# Altium PCB RockerBox_1_SiC780A_Rev01.PcbDoc (part 1 of 5) (continued)
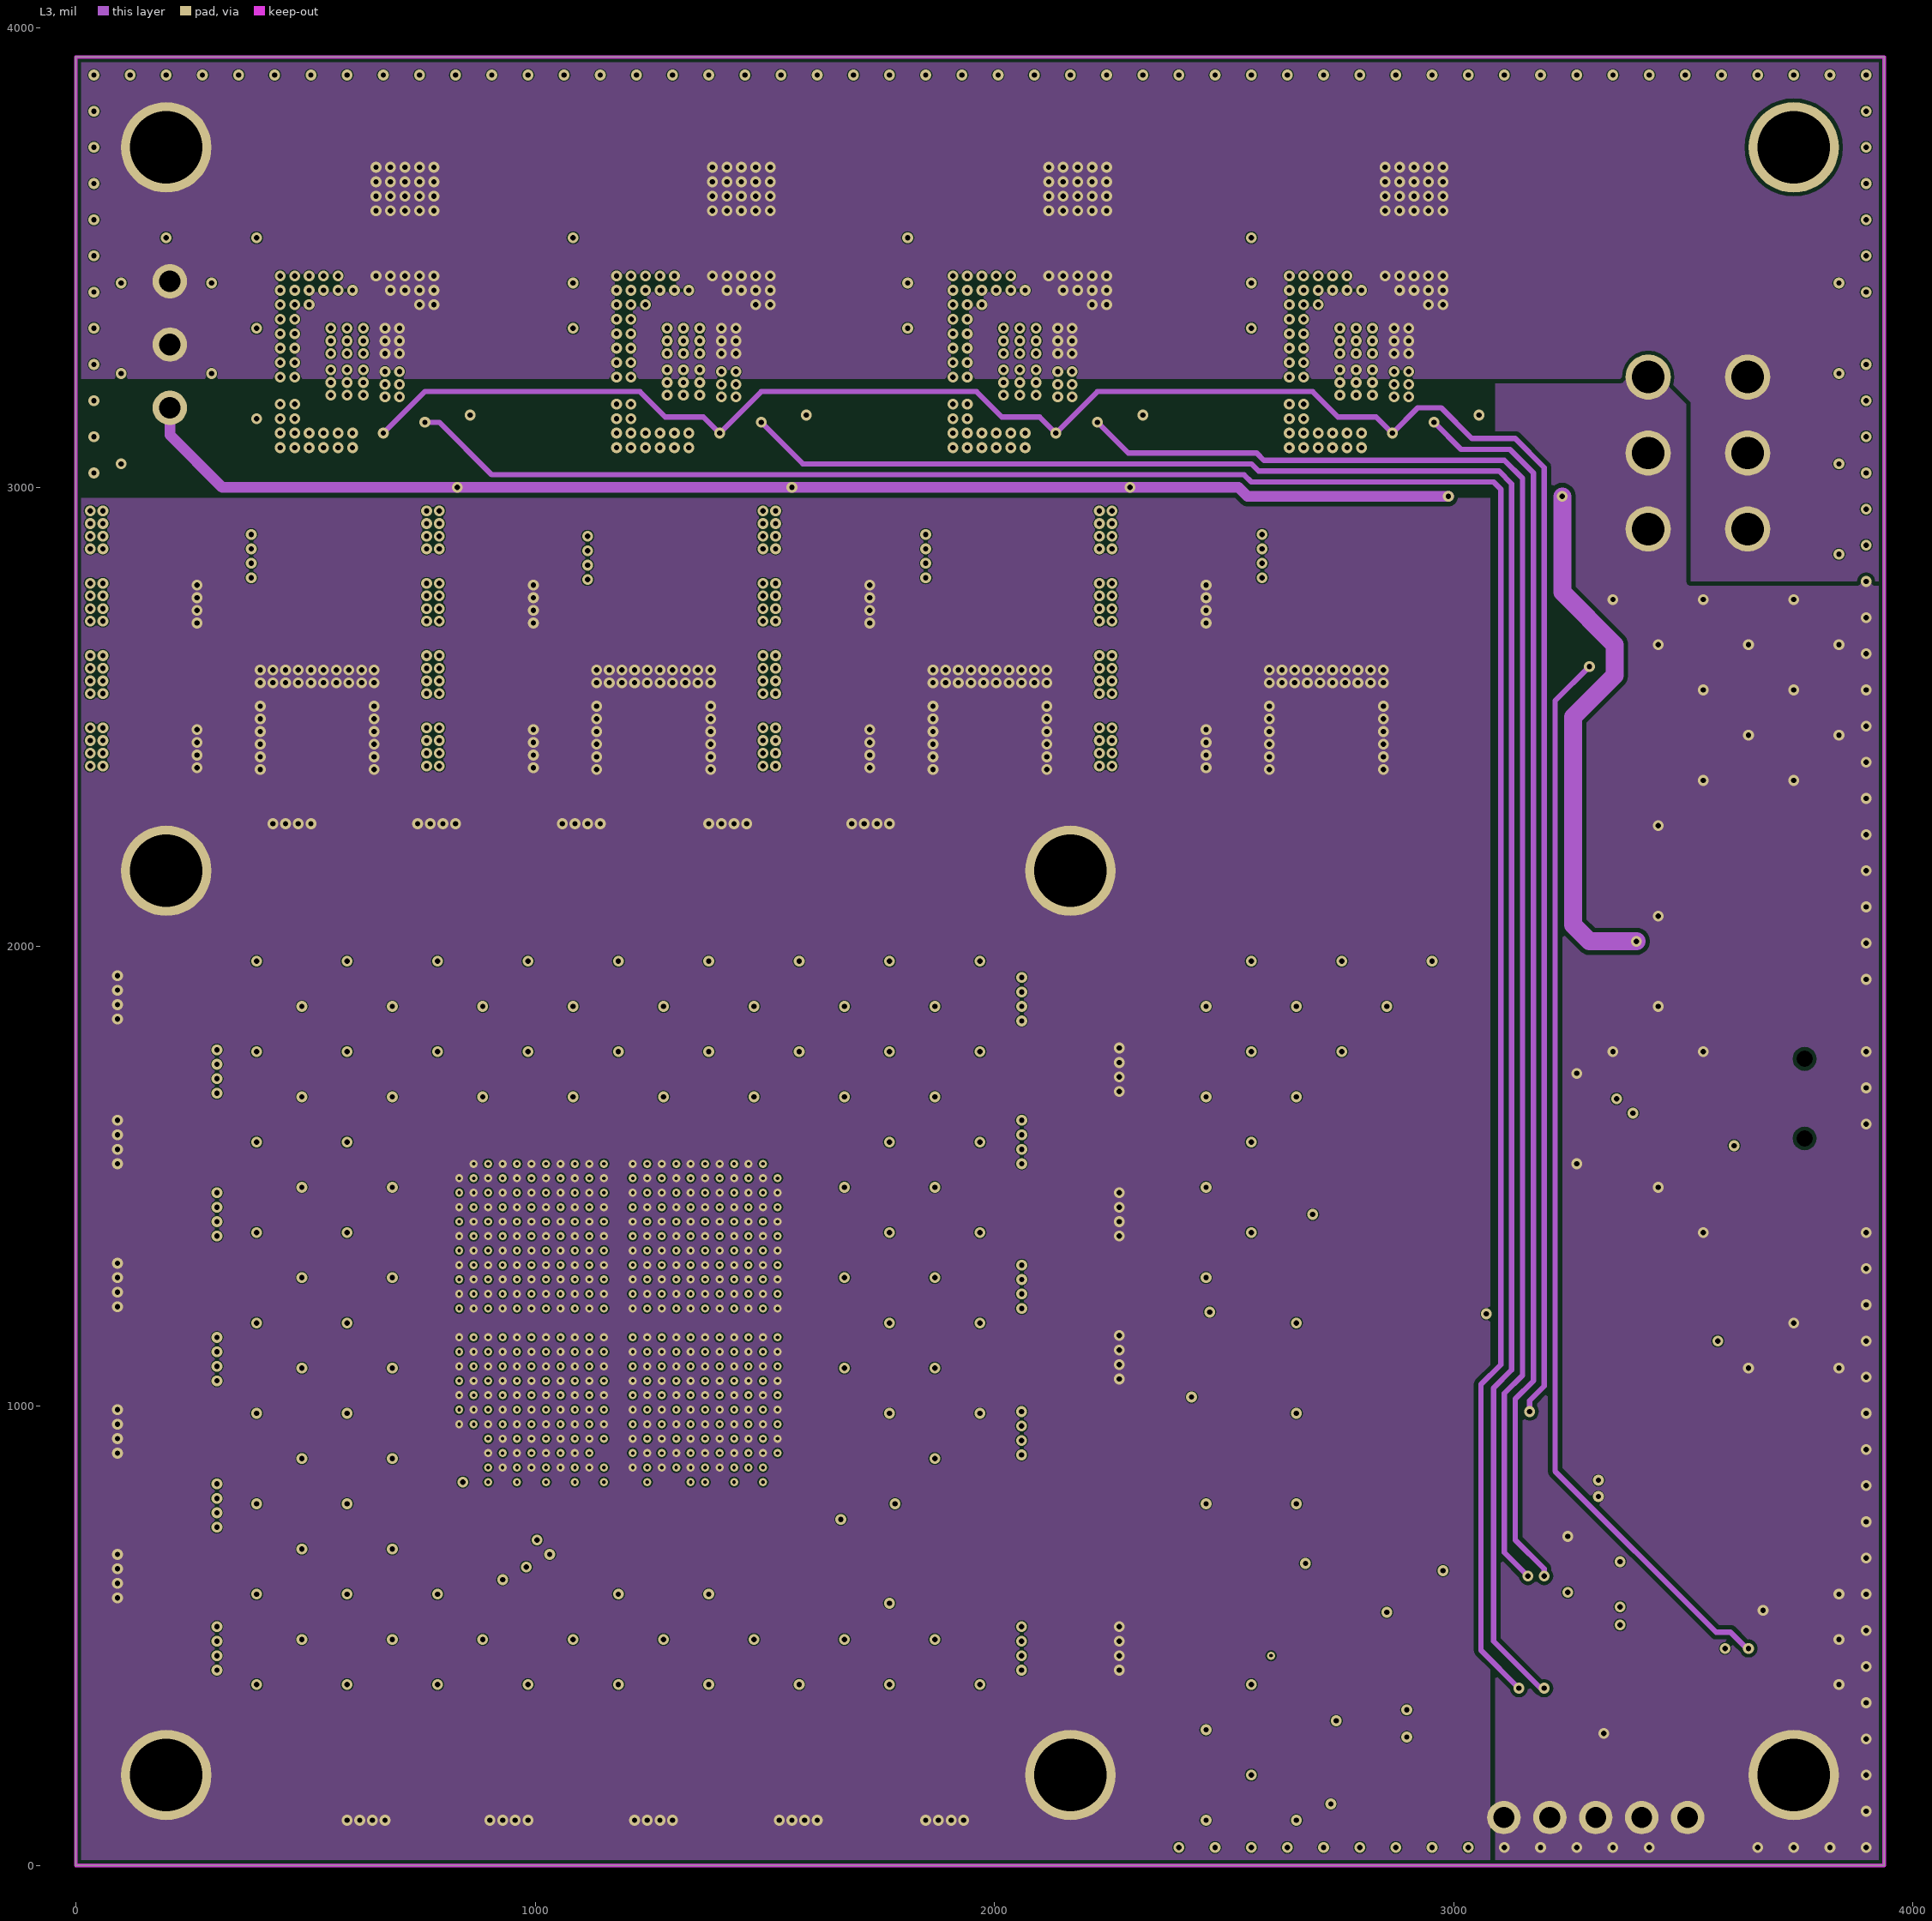
[diagram p3: L3]
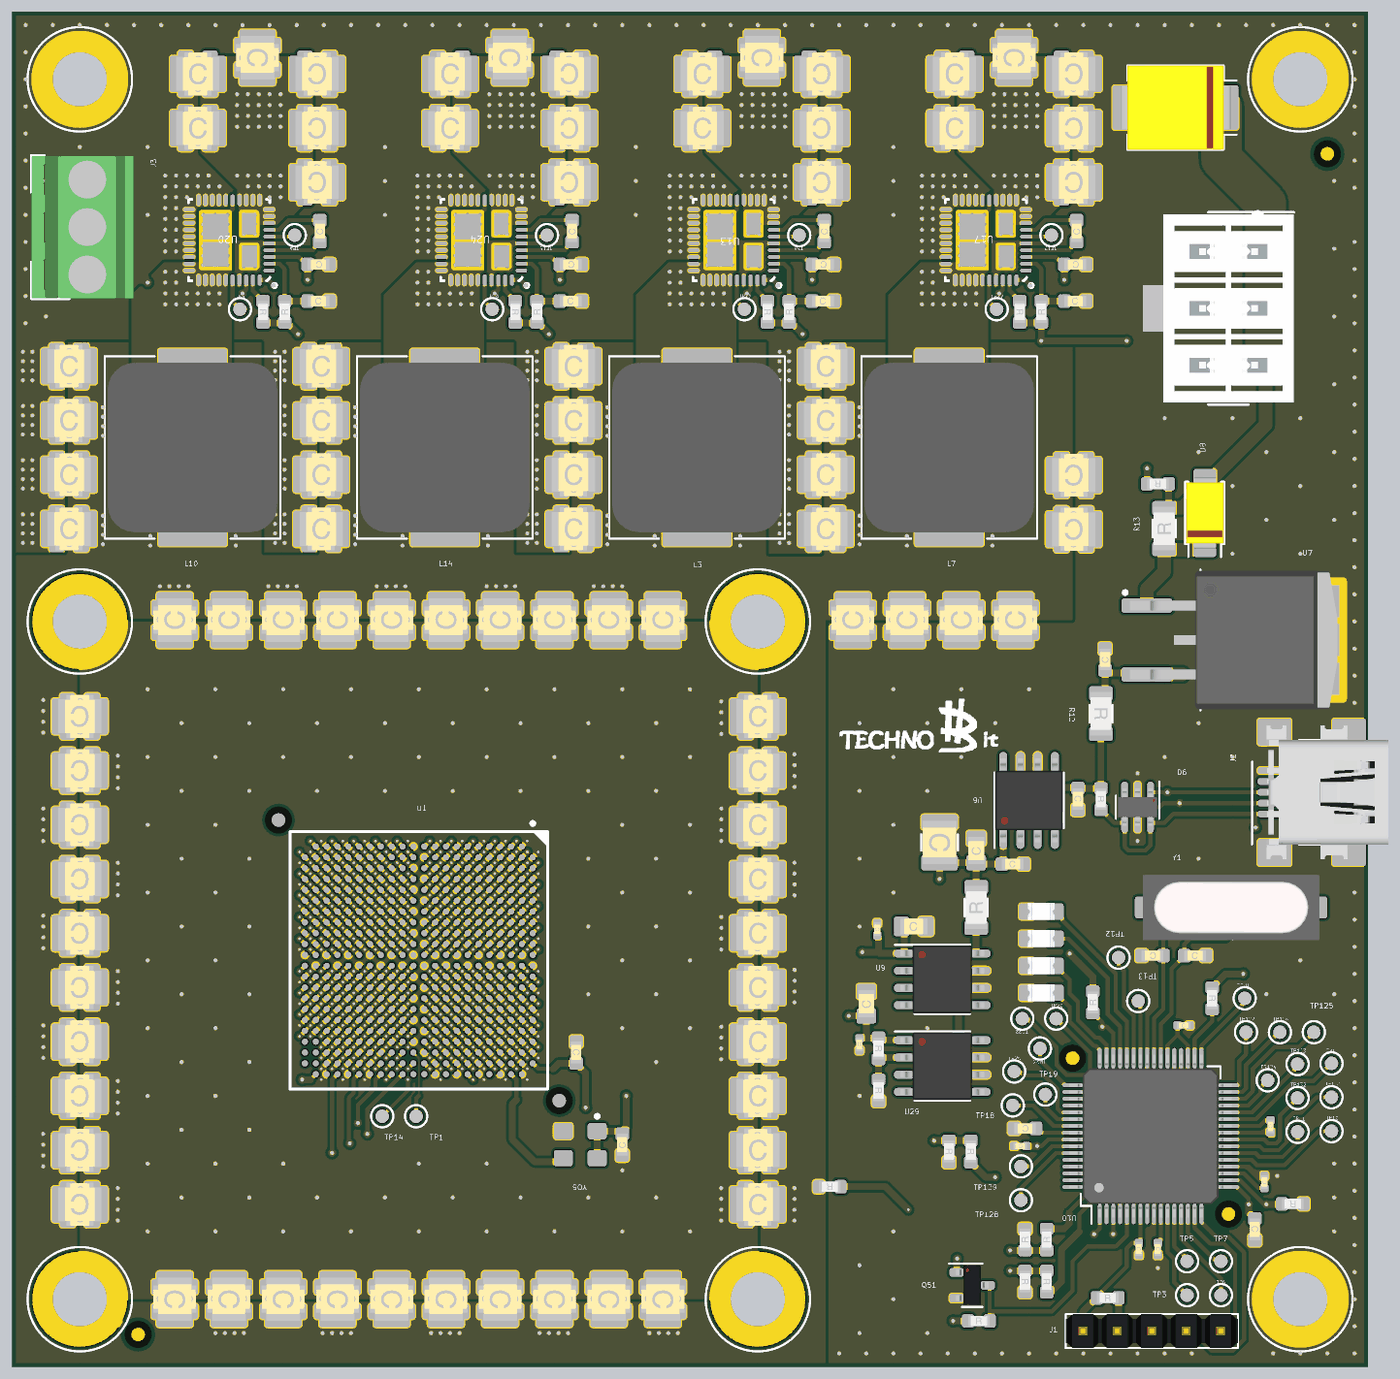
[diagram p8: 3D render of the assembled board from above, using the file's embedded part models]

## Layer stack, top to bottom
21_Solder Mask Top: solder mask 0.4, Solder Resist, Dk 3.5
L1: signal copper 1.3189
Dielectric1: dielectric 7.0866, FR-4, Dk 4.75
L2: plane copper 1.378
Dielectric3: dielectric 42.5197, FR-4, Dk 4.75
L3: signal copper 1.378
Dielectric2: dielectric 7.0866, FR-4, Dk 4.75
L4: signal copper 1.3189
28_Solder Mask Bottom: solder mask 0.4, Solder Resist, Dk 3.5

## Board outline
0,3937.01 3937.01,3937.01 3937.01,0 0,0

## Design rules (kind name [scope] priority, off if disabled: settings)
Clearance "'All on Layer' PADS rule_62" [OnLayer('L2') vs OnLayer('L2')] p1: gap=9.84
Clearance "'All on Layer' PADS rule_61" [OnLayer('L2') And InPolygon vs OnLayer('L2') And InPolygon] p2: gap=11.81
Clearance "'All on Layer' PADS rule_60" [OnLayer('L2') vs OnLayer('L2')] p3: gap=9.84
Clearance "'All on Layer' PADS rule_59" [OnLayer('L2') And IsSMTPin vs OnLayer('L2') And IsSMTPin] p4: gap=5.91
Clearance "'All on Layer' PADS rule_58" [OnLayer('L2') And IsThruPin vs OnLayer('L2') And IsSMTPin] p5: gap=9.84
Clearance "'All on Layer' PADS rule_57" [OnLayer('L2') And IsSMTPin vs OnLayer('L2') And IsThruPin] p6: gap=5.91
Clearance "'All on Layer' PADS rule_56" [OnLayer('L2') And IsVia vs OnLayer('L2') And IsSMTPin] p7: gap=9.84
Clearance "'All on Layer' PADS rule_55" [OnLayer('L2') And IsSMTPin vs OnLayer('L2') And IsVia] p8: gap=5.91
Clearance "'All on Layer' PADS rule_54" [OnLayer('L2') And (IsTrack Or IsArc) vs OnLayer('L2') And IsSMTPin] p9: gap=9.84
Clearance "'All on Layer' PADS rule_53" [OnLayer('L2') And IsSMTPin vs OnLayer('L2') And (IsTrack Or IsArc)] p10: gap=5.91
Clearance "'All on Layer' PADS rule_52" [OnLayer('L2') vs OnLayer('L2') And (IsTrack Or IsArc Or IsThruPin Or IsSMTPin Or IsVia Or IsFill Or InPolygon)] p11: gap=9.84
Clearance "'All on Layer' PADS rule_49" [OnLayer('L2') And IsVia vs OnLayer('L2') And IsVia] p12: gap=3.94
Clearance "'All on Layer' PADS rule_47" [OnLayer('L3') vs OnLayer('L3')] p13: gap=9.84
Clearance "'All on Layer' PADS rule_46" [OnLayer('L3') And InPolygon vs OnLayer('L3') And InPolygon] p14: gap=11.81
Clearance "'All on Layer' PADS rule_45" [OnLayer('L3') vs OnLayer('L3')] p15: gap=9.84
Clearance "'All on Layer' PADS rule_44" [OnLayer('L3') And IsSMTPin vs OnLayer('L3') And IsSMTPin] p16: gap=5.91
Clearance "'All on Layer' PADS rule_43" [OnLayer('L3') And IsThruPin vs OnLayer('L3') And IsSMTPin] p17: gap=9.84
Clearance "'All on Layer' PADS rule_42" [OnLayer('L3') And IsSMTPin vs OnLayer('L3') And IsThruPin] p18: gap=5.91
Clearance "'All on Layer' PADS rule_41" [OnLayer('L3') And IsVia vs OnLayer('L3') And IsSMTPin] p19: gap=9.84
Clearance "'All on Layer' PADS rule_40" [OnLayer('L3') And IsSMTPin vs OnLayer('L3') And IsVia] p20: gap=5.91
Clearance "'All on Layer' PADS rule_39" [OnLayer('L3') And (IsTrack Or IsArc) vs OnLayer('L3') And IsSMTPin] p21: gap=9.84
Clearance "'All on Layer' PADS rule_38" [OnLayer('L3') And IsSMTPin vs OnLayer('L3') And (IsTrack Or IsArc)] p22: gap=5.91
Clearance "'All on Layer' PADS rule_37" [OnLayer('L3') vs OnLayer('L3') And (IsTrack Or IsArc Or IsThruPin Or IsSMTPin Or IsVia Or IsFill Or InPolygon)] p23: gap=9.84
Clearance "'All on Layer' PADS rule_34" [OnLayer('L3') And IsVia vs OnLayer('L3') And IsVia] p24: gap=3.94
Clearance "'Default' PADS rule_33" [All] p25: gap=7.87
Clearance "'Default' PADS rule_32" [InPolygon vs InPolygon] p26: gap=11.81
Clearance "'Default' PADS rule_31" [All] p27: gap=7.87
Clearance "'Default' PADS rule_30" [IsSMTPin vs IsSMTPin] p28: gap=5.91
Clearance "'Default' PADS rule_29" [IsThruPin vs IsSMTPin] p29: gap=7.87
Clearance "'Default' PADS rule_28" [IsSMTPin vs IsThruPin] p30: gap=5.91
Clearance "'Default' PADS rule_27" [IsVia vs IsSMTPin] p31: gap=7.87
Clearance "'Default' PADS rule_26" [IsSMTPin vs IsVia] p32: gap=4.33
Clearance "'Default' PADS rule_25" [(IsTrack Or IsArc) vs IsSMTPin] p33: gap=7.87
Clearance "'Default' PADS rule_24" [IsSMTPin vs (IsTrack Or IsArc)] p34: gap=4.33
Clearance "'Default' PADS rule_23" [All] p35: gap=7.87
Clearance "'Default' PADS rule_22" [IsVia vs IsVia] p36: gap=4.33
Clearance "'Default' PADS rule_21" [(IsTrack Or IsArc) vs IsVia] p37: gap=7.87
Clearance "'Default' PADS rule_20" [IsVia vs (IsTrack Or IsArc)] p38: gap=4.33
Clearance "'Default' PADS rule_19" [All] p39: gap=7.87
Clearance "'Default' PADS rule_16" [IsVia vs IsVia] p40: gap=3.94
ComponentClearance "'Default' PADS rule_13" [All] p1: gap=0 collisioncheckmode=3 verticalgap=10 showdistances=FALSE
FlightTimeFalling "'Default' PADS rule_11" [All] p1: maximum=10.00
FlightTimeRising "'Default' PADS rule_10" [All] p1: maximum=10.00
Length "'Default' PADS rule_5" [All] p1: maxlimit=50000 minlimit=0
MatchedLengths "'Default' PADS rule_12" [InNetClass('All Nets')] p1: tolerance=200 checknetsindiffpair=TRUE checkdiffpairvsdiffpair=TRUE checkothers=TRUE
MaxMinImpedance "'Default' PADS rule_9" [All] p1: minimum=50.00 maximum=150.0
ParallelSegment "'Default' PADS rule_8" [All] p1: limit=1000 gap=200
ParallelSegment "'Default' PADS rule_7" [All] p2: limit=1000 gap=200
PlaneClearance "Power Plane Clearance for J2-10" [(Name='J2-10') Or (Name='J2-11')] p1: clearance=15.75 // PAD - Power Plane Clearance
PlaneClearance "Power Plane Clearance for J1-1" [(Name='J1-1') Or (Name='J1-2') Or (Name='J1-3') Or (Name='J1-4') Or (Name='J1-5') Or (Name='J12-1') Or (Name='J12-2') Or (Name='J12-3') Or (Name='J12-4') Or (Name='J12-5') Or (Name='J12-6') Or (Name='J13-1') Or (Name='J14-1') Or (Name='J15-1') Or (Name='J22-1') Or (Name='J23-1') Or (Name='J24-1') Or (Name='J3-1') Or (Name='J3-2') Or (Name='J3-3') Or (Name='J9-1')] p2: clearance=19.68 // PAD - Power Plane Clearance
PlaneClearance "'Default' PADS rule_15" [All] p3: clearance=11.81
PlaneConnect "Power Plane Connect Style for VIA60-30-85" [IsVia And (ViaDiameter=23.622) And (HoleSize=11.811)] p1: planeconnectstyle=Relief reliefexpansion=5.91 reliefentries=4 reliefconductorwidth=19.68 reliefairgap=10
PlaneConnect "Power Plane Connect Style for VIA45H20" [IsVia And (ViaDiameter=17.716) And (HoleSize=7.874)] p2: planeconnectstyle=Relief reliefexpansion=4.92 reliefentries=2 reliefconductorwidth=3.94 reliefairgap=10
PlaneConnect "Power Plane Connect Style for J9-1" [(Name='J9-1')] p3: planeconnectstyle=Relief reliefexpansion=11.81 reliefentries=4 reliefconductorwidth=27.56 reliefairgap=10
PlaneConnect "Power Plane Connect Style for J3-1" [(Name='J3-1')] p4: planeconnectstyle=Relief reliefexpansion=11.81 reliefentries=4 reliefconductorwidth=11.42 reliefairgap=7.87
PlaneConnect "Power Plane Connect Style for J24-1" [(Name='J24-1')] p5: planeconnectstyle=Relief reliefexpansion=11.81 reliefentries=4 reliefconductorwidth=27.56 reliefairgap=10
PlaneConnect "Power Plane Connect Style for J23-1" [(Name='J23-1')] p6: planeconnectstyle=Relief reliefexpansion=11.81 reliefentries=4 reliefconductorwidth=27.56 reliefairgap=10
PlaneConnect "Power Plane Connect Style for J22-1" [(Name='J22-1')] p7: planeconnectstyle=Relief reliefexpansion=11.81 reliefentries=4 reliefconductorwidth=27.56 reliefairgap=10
PlaneConnect "Power Plane Connect Style - pads with no thermal" [(Name='J2-10') Or (Name='J2-11')] p8: planeconnectstyle=NoConnect reliefexpansion=20 reliefentries=4 reliefconductorwidth=10 reliefairgap=10 // PAD - No Thermal Connect Rule
PlaneConnect "Power Plane Connect Style for J15-1" [(Name='J15-1')] p9: planeconnectstyle=Relief reliefexpansion=11.81 reliefentries=4 reliefconductorwidth=27.56 reliefairgap=10
PlaneConnect "Power Plane Connect Style for J14-1" [(Name='J14-1')] p10: planeconnectstyle=Relief reliefexpansion=11.81 reliefentries=4 reliefconductorwidth=27.56 reliefairgap=10
PlaneConnect "Power Plane Connect Style for J13-1" [(Name='J13-1')] p11: planeconnectstyle=Relief reliefexpansion=11.81 reliefentries=4 reliefconductorwidth=27.56 reliefairgap=10
PlaneConnect "Power Plane Connect Style for J12-6" [(Name='J12-6')] p12: planeconnectstyle=Relief reliefexpansion=13.78 reliefentries=4 reliefconductorwidth=14.96 reliefairgap=10
PlaneConnect "Power Plane Connect Style for J12-5" [(Name='J12-5')] p13: planeconnectstyle=Relief reliefexpansion=13.78 reliefentries=4 reliefconductorwidth=14.96 reliefairgap=10
PlaneConnect "Power Plane Connect Style for J12-4" [(Name='J12-4')] p14: planeconnectstyle=Relief reliefexpansion=13.78 reliefentries=4 reliefconductorwidth=14.96 reliefairgap=10
PlaneConnect "Power Plane Connect Style for J12-3" [(Name='J12-3')] p15: planeconnectstyle=Relief reliefexpansion=13.78 reliefentries=4 reliefconductorwidth=14.96 reliefairgap=10
PlaneConnect "Power Plane Connect Style for J12-2" [(Name='J12-2')] p16: planeconnectstyle=Relief reliefexpansion=13.78 reliefentries=4 reliefconductorwidth=14.96 reliefairgap=10
PlaneConnect "Power Plane Connect Style for J12-1" [(Name='J12-1')] p17: planeconnectstyle=Relief reliefexpansion=13.78 reliefentries=4 reliefconductorwidth=14.96 reliefairgap=10
PlaneConnect "Power Plane Connect Style for J1-1" [(Name='J1-1')] p18: planeconnectstyle=Relief reliefexpansion=11.81 reliefentries=4 reliefconductorwidth=11.02 reliefairgap=7.87
PlaneConnect "Power Plane Connect Style - Via from round thru-hole global defaults" [IsVia] p19: planeconnectstyle=Relief reliefexpansion=20 reliefentries=4 reliefconductorwidth=19.68 reliefairgap=10
PlaneConnect "Power Plane Connect Style - Round thru-hole pad from global defaults" [IsPad And OnMultiLayer And (PadShape_MidLayer1 = 'Round') And (PadXSize_MidLayer1 = PadYSize_MidLayer1)] p20: planeconnectstyle=Relief reliefexpansion=20 reliefentries=4 reliefconductorwidth=19.68 reliefairgap=10
PlaneConnect "Power Plane Connect Style - Square thru-hole pad from global defaults" [IsPad And OnMultiLayer And ((PadShape_MidLayer1 = 'Rectangular') Or (PadShape_MidLayer1 = 'Octagonal') Or (PadShape_MidLayer1 = 'Rounded Rectangle')) And (PadXSize_MidLayer1 = PadYSize_MidLayer1)] p21: planeconnectstyle=Relief reliefexpansion=20 reliefentries=4 reliefconductorwidth=19.68 reliefairgap=10
PlaneConnect "Power Plane Connect Style - Rect thru-hole pad from global defaults" [IsPad And OnMultiLayer And ((PadShape_MidLayer1 = 'Rectangular') Or (PadShape_MidLayer1 = 'Octagonal') Or (PadShape_MidLayer1 = 'Rounded Rectangle')) And (PadXSize_MidLayer1 <> PadYSize_MidLayer1)] p22: planeconnectstyle=Relief reliefexpansion=20 reliefentries=4 reliefconductorwidth=19.68 reliefairgap=10
PlaneConnect "Power Plane Connect Style - Square-rect thru-hole pad from global defaults" [IsPad And OnMultiLayer And (PadShape_MidLayer1 = 'Rounded Rectangle') And (PadXSize_MidLayer1 = PadYSize_MidLayer1) And (Pad_CornerRadius_MidLayer1 = '0%')] p23: planeconnectstyle=Relief reliefexpansion=20 reliefentries=4 reliefconductorwidth=19.68 reliefairgap=10
PlaneConnect "Power Plane Connect Style - Oval thru-hole pad from global defaults" [IsPad And OnMultiLayer And (PadShape_MidLayer1 = 'Round') And (PadXSize_MidLayer1 <> PadYSize_MidLayer1)] p24: planeconnectstyle=Relief reliefexpansion=20 reliefentries=4 reliefconductorwidth=19.68 reliefairgap=10
PlaneConnect "Power Plane Connect Style - Round-oval thru-hole pad from global defaults" [IsPad And OnMultiLayer And (PadShape_MidLayer1 = 'Rounded Rectangle') And (PadXSize_MidLayer1 = PadYSize_MidLayer1) And (Pad_CornerRadius_MidLayer1 = '100%')] p25: planeconnectstyle=Relief reliefexpansion=20 reliefentries=4 reliefconductorwidth=19.68 reliefairgap=10
PolygonConnect PolygonConnect_1 [All] p1: connectstyle=Direct reliefconductorwidth=10 reliefentries=4 polygonreliefangle="90 Angle" airgapwidth=10
PolygonConnect "Polygon Connect Style - L4 Round SMD from global defaults" [IsSMTPin And (PadShape_BottomLayer = 'Round') And (PadXSize_BottomLayer = PADYSize_BottomLayer) vs Layer = 'L4'] p2: connectstyle=Relief reliefconductorwidth=11.81 reliefentries=4 polygonreliefangle="45 Angle" airgapwidth=10
PolygonConnect "Polygon Connect Style - L1 Round SMD from global defaults" [IsSMTPin And (PadShape_TopLayer = 'Round') And (PadXSize_TopLayer = PADYSize_TopLayer) vs Layer = 'L1'] p3: connectstyle=Relief reliefconductorwidth=11.81 reliefentries=4 polygonreliefangle="45 Angle" airgapwidth=10
PolygonConnect "Polygon Connect Style - L4 Square SMD from global defaults 1" [IsSMTPin And (PadShape_BottomLayer = 'Rectangular') And (PadXSize_BottomLayer = PADYSize_BottomLayer) vs Layer = 'L4'] p4: connectstyle=Relief reliefconductorwidth=11.81 reliefentries=4 polygonreliefangle="90 Angle" airgapwidth=10
PolygonConnect "Polygon Connect Style - L4 Square SMD from global defaults 2" [IsSMTPin And (PadShape_BottomLayer = 'Octagonal') And (PadXSize_BottomLayer = PADYSize_BottomLayer) vs Layer = 'L4'] p5: connectstyle=Relief reliefconductorwidth=11.81 reliefentries=4 polygonreliefangle="90 Angle" airgapwidth=10
PolygonConnect "Polygon Connect Style - L4 Square SMD from global defaults 3" [IsSMTPin And (PadShape_BottomLayer = 'Rounded Rectangle') And (PadXSize_BottomLayer = PADYSize_BottomLayer) vs Layer = 'L4'] p6: connectstyle=Relief reliefconductorwidth=11.81 reliefentries=4 polygonreliefangle="90 Angle" airgapwidth=10
PolygonConnect "Polygon Connect Style - L1 Square SMD from global defaults 1" [IsSMTPin And (PadShape_TopLayer = 'Rectangular') And (PadXSize_TopLayer = PADYSize_TopLayer) vs Layer = 'L1'] p7: connectstyle=Relief reliefconductorwidth=11.81 reliefentries=4 polygonreliefangle="90 Angle" airgapwidth=10
PolygonConnect "Polygon Connect Style - L1 Square SMD from global defaults 2" [IsSMTPin And (PadShape_TopLayer = 'Octagonal') And (PadXSize_TopLayer = PADYSize_TopLayer) vs Layer = 'L1'] p8: connectstyle=Relief reliefconductorwidth=11.81 reliefentries=4 polygonreliefangle="90 Angle" airgapwidth=10
PolygonConnect "Polygon Connect Style - L1 Square SMD from global defaults 3" [IsSMTPin And (PadShape_TopLayer = 'Rounded Rectangle') And (PadXSize_TopLayer = PADYSize_TopLayer) vs Layer = 'L1'] p9: connectstyle=Relief reliefconductorwidth=11.81 reliefentries=4 polygonreliefangle="90 Angle" airgapwidth=10
PolygonConnect "Polygon Connect Style - L4 Rect SMD from global defaults 1" [IsSMTPin And (PadShape_BottomLayer = 'Rectangular') And (PadXSize_BottomLayer <> PADYSize_BottomLayer) vs Layer = 'L4'] p10: connectstyle=Relief reliefconductorwidth=11.81 reliefentries=4 polygonreliefangle="90 Angle" airgapwidth=10
PolygonConnect "Polygon Connect Style - L4 Rect SMD from global defaults 2" [IsSMTPin And (PadShape_BottomLayer = 'Octagonal') And (PadXSize_BottomLayer <> PADYSize_BottomLayer) vs Layer = 'L4'] p11: connectstyle=Relief reliefconductorwidth=11.81 reliefentries=4 polygonreliefangle="90 Angle" airgapwidth=10
PolygonConnect "Polygon Connect Style - L4 Rect SMD from global defaults 3" [IsSMTPin And (PadShape_BottomLayer = 'Rounded Rectangle') And (PadXSize_BottomLayer <> PADYSize_BottomLayer) vs Layer = 'L4'] p12: connectstyle=Relief reliefconductorwidth=11.81 reliefentries=4 polygonreliefangle="90 Angle" airgapwidth=10
PolygonConnect "Polygon Connect Style - L4 Square-rect SMD pad from global defaults" [IsSMTPin And (PadShape_BottomLayer = 'Rounded Rectangle') And (PadXSize_BottomLayer = PADYSize_BottomLayer) And (Pad_CornerRadius_BottomLayer = '0%') vs Layer = 'L4'] p13: connectstyle=Relief reliefconductorwidth=11.81 reliefentries=4 polygonreliefangle="90 Angle" airgapwidth=10
PolygonConnect "Polygon Connect Style - L1 Rect SMD from global defaults 1" [IsSMTPin And (PadShape_TopLayer = 'Rectangular') And (PadXSize_TopLayer <> PADYSize_TopLayer) vs Layer = 'L1'] p14: connectstyle=Relief reliefconductorwidth=11.81 reliefentries=4 polygonreliefangle="90 Angle" airgapwidth=10
PolygonConnect "Polygon Connect Style - L1 Rect SMD from global defaults 2" [IsSMTPin And (PadShape_TopLayer = 'Octagonal') And (PadXSize_TopLayer <> PADYSize_TopLayer) vs Layer = 'L1'] p15: connectstyle=Relief reliefconductorwidth=11.81 reliefentries=4 polygonreliefangle="90 Angle" airgapwidth=10
PolygonConnect "Polygon Connect Style - L1 Rect SMD from global defaults 3" [IsSMTPin And (PadShape_TopLayer = 'Rounded Rectangle') And (PadXSize_TopLayer <> PADYSize_TopLayer) vs Layer = 'L1'] p16: connectstyle=Relief reliefconductorwidth=11.81 reliefentries=4 polygonreliefangle="90 Angle" airgapwidth=10
PolygonConnect "Polygon Connect Style - L1 Square-rect SMD pad from global defaults" [IsSMTPin And (PadShape_TopLayer = 'Rounded Rectangle') And (PadXSize_TopLayer = PADYSize_TopLayer) And (Pad_CornerRadius_TopLayer = '0%') vs Layer = 'L1'] p17: connectstyle=Relief reliefconductorwidth=11.81 reliefentries=4 polygonreliefangle="90 Angle" airgapwidth=10
PolygonConnect "Polygon Connect Style - L4 Oval SMD from global defaults" [IsSMTPin And (PadShape_BottomLayer = 'Round') And (PadXSize_BottomLayer <> PADYSize_BottomLayer) vs Layer = 'L4'] p18: connectstyle=Relief reliefconductorwidth=11.81 reliefentries=4 polygonreliefangle="45 Angle" airgapwidth=10
PolygonConnect "Polygon Connect Style - L4 Round-oval SMD pad from global defaults" [IsSMTPin And (PadShape_BottomLayer = 'Rounded Rectangle') And (PadXSize_BottomLayer = PADYSize_BottomLayer) And (Pad_CornerRadius_BottomLayer = '100%') vs Layer = 'L4'] p19: connectstyle=Relief reliefconductorwidth=11.81 reliefentries=4 polygonreliefangle="45 Angle" airgapwidth=10
PolygonConnect "Polygon Connect Style - L1 Oval SMD from global defaults" [IsSMTPin And (PadShape_TopLayer = 'Round') And (PadXSize_TopLayer <> PADYSize_TopLayer) vs Layer = 'L1'] p20: connectstyle=Relief reliefconductorwidth=11.81 reliefentries=4 polygonreliefangle="45 Angle" airgapwidth=10
PolygonConnect "Polygon Connect Style - L1 Round-oval SMD pad from global defaults" [IsSMTPin And (PadShape_TopLayer = 'Rounded Rectangle') And (PadXSize_TopLayer = PADYSize_TopLayer) And (Pad_CornerRadius_TopLayer = '100%') vs Layer = 'L1'] p21: connectstyle=Relief reliefconductorwidth=11.81 reliefentries=4 polygonreliefangle="45 Angle" airgapwidth=10
PolygonConnect "Polygon Connect Style - Via from round thru-hole global defaults_64" [IsVia] p22: connectstyle=Relief reliefconductorwidth=19.68 reliefentries=4 polygonreliefangle="90 Angle" airgapwidth=10
PolygonConnect "Polygon Connect Style - L4 Round thru-hole pad from global defaults" [IsPad And OnMultiLayer And (PadShape_BottomLayer = 'Round') And (PadXSize_BottomLayer = PADYSize_BottomLayer) vs Layer = 'L4'] p23: connectstyle=Relief reliefconductorwidth=19.68 reliefentries=4 polygonreliefangle="90 Angle" airgapwidth=10
PolygonConnect "Polygon Connect Style - Via from round thru-hole global defaults_63" [IsVia] p24: connectstyle=Relief reliefconductorwidth=19.68 reliefentries=4 polygonreliefangle="90 Angle" airgapwidth=10